# Altium PCB HLK-M20_8266-SUIT-V2.1.PcbDoc
Units mil, origin at the board's own origin, x right, y up, seen from the top; angles counter-clockwise.
Board outline 2165.35 x 1122.05 mil, 2 copper layers (Top Layer, Bottom Layer); 30 components, 35 nets, 166 pads, 100 vias.
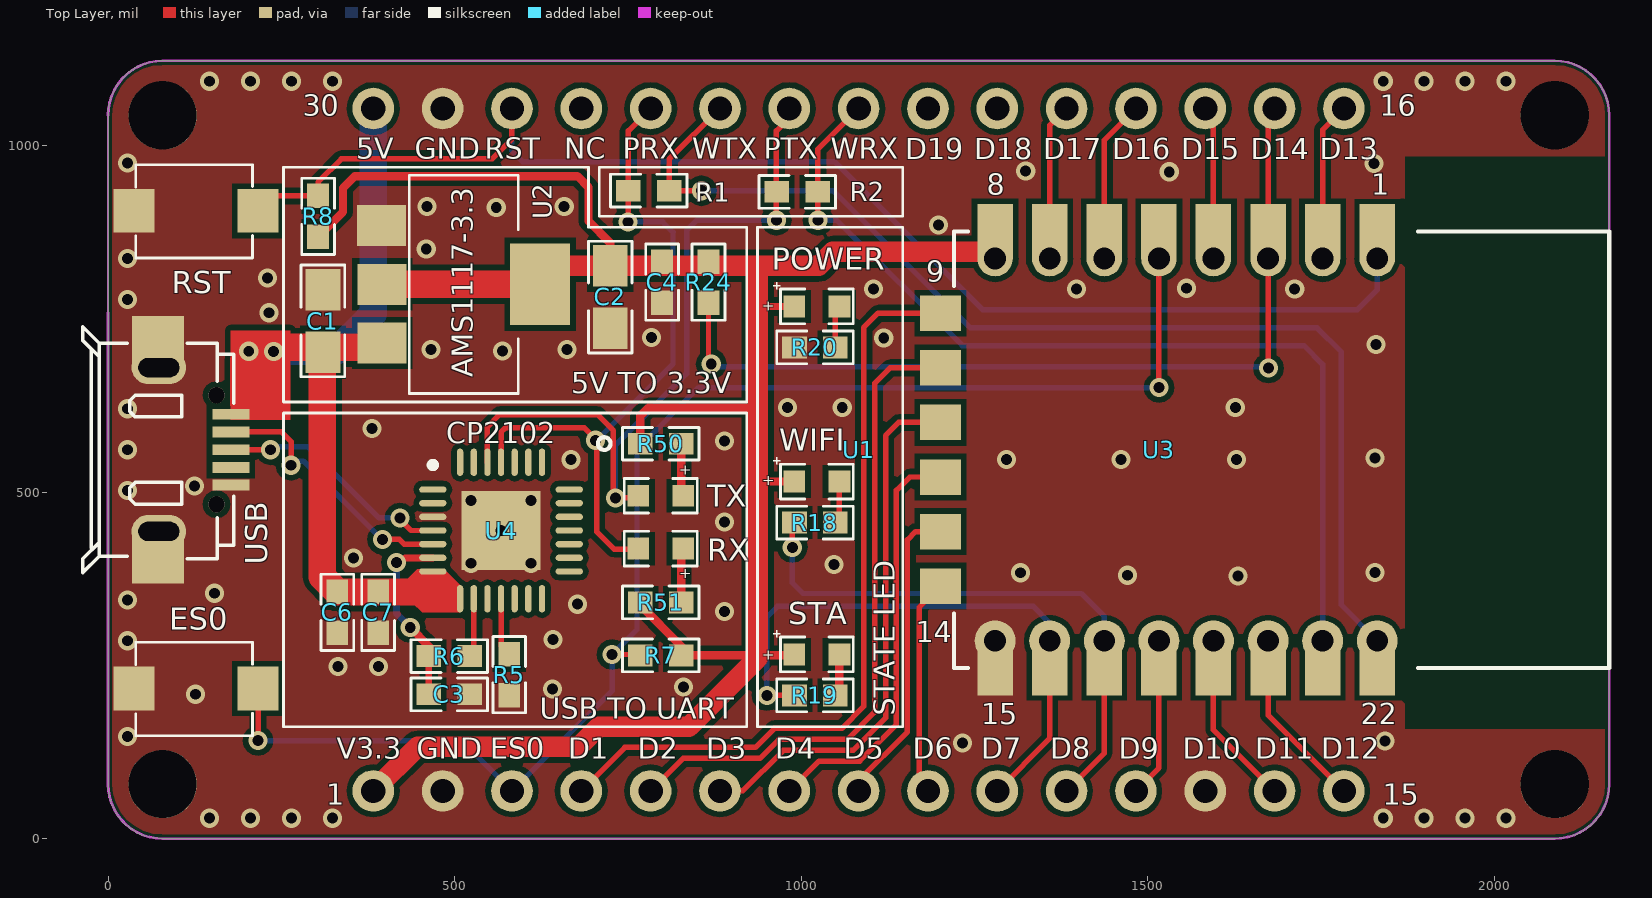
[diagram p0: Top Layer view]
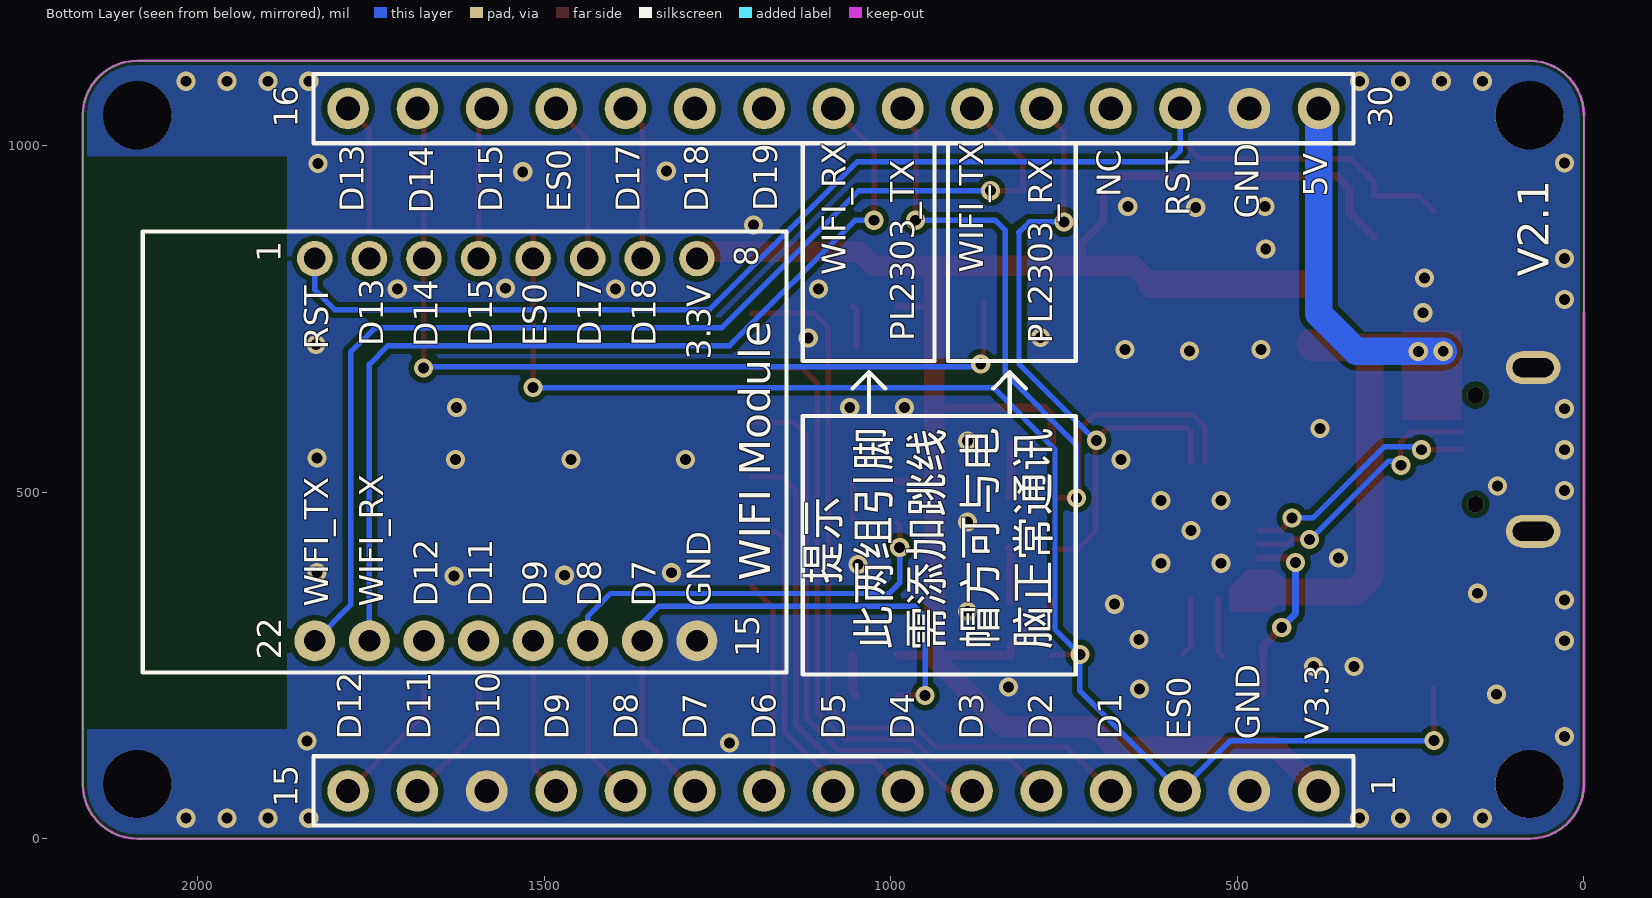
[diagram p1: Bottom Layer view, seen from below]

## Layer stack, top to bottom
Top Layer: signal copper 1.4
Dielectric: dielectric 12.6, FR-4, Dk 4.8
Bottom Layer: signal copper 1.4

## Board outline
0,79.12 0,1043.69 cw(c78.74,1043.69) 78.74,1122.43 2086.61,1122.43 cw(c2086.61,1043.69) 2165.35,1043.69 2165.35,79.12 cw(c2086.61,79.12) 2086.61,0.38 78.74,0.38 cw(c78.74,79.12)

## Design rules (kind name [scope] priority, off if disabled: settings)
Clearance Clearance_1 [OnLayer('Keep-Out Layer')] p1: gap=3.94
Clearance [All] p2: gap=7.87
FabricationTestPointUsage TestPointUsage [All] p1: valid=0 allowmultiple=FALSE
FabricationTestpoint Testpoint [(IsPad And (OnTopLayer Or OnBottomLayer))] p1: side=3 testpointundercomponent=TRUE minsize=40 maxsize=100 preferedsize=60 minholesize=0 maxholesize=40 preferedholesize=32 testpointgrid=1 allowsidetop=TRUE allowsidebottom=TRUE usegrid=TRUE gridtolerance=0.01
PolygonConnect [All] p1: connectstyle=Direct reliefconductorwidth=10 reliefentries=4 polygonreliefangle="90 Angle" airgapwidth=10
RoutingVias [All] p1: holewidth=11.81 width=19.68 viastyle="Through Hole" minholewidth=11.81 minwidth=19.68 maxholewidth=28 maxwidth=50
SilkToSolderMaskClearance SilkscreenOverComponentPads [IsPad] p1: minsilkscreentomaskgap=10 clearancetoexposedcopper=TRUE
SolderMaskExpansion [All] p1: expansion=4
Width 5V [InNet('5V')] p1: maxlimit=78.74 minlimit=11.81 preferedwidth=11.81
Width [All] p2: maxlimit=78.74 minlimit=7.87 preferedwidth=11.81
25 further rules are at their usual default settings.

## Components (designator, comment, footprint, x,y, rotation, side; value= is the part's Value field where it differs from the comment)
C1 "10UF" 0805S 310,702 r90 top
C2 "10uF" 0805S 724.41,826.77 r270 top
C3 "10UF" 0603L 492.13,208.66 r180 top
C4 "0.1uF" 0603L 799.21,803.15 r90 top
C6 "0.1UF" 0603L 330.71,326.77 r90 top
C7 "10UF" 0603L 389.76,326.77 r90 top
ES0 "SW-PB" 小按键 216.54,216.92 r180 top
POWER "LED" 0603LED 994.87,768.1 r0 top
R1 "1K/NC" 0603L 780,935 r0 top (schematic designator R55)
R2 "1K/NC" 0603L 994.09,933.45 r0 top (schematic designator R56)
R5 "10K" 0603L 578.74,237.06 r270 top
R6 "10K" 0603L 492.13,263.78 r180 top
R7 "1K" 0603L 797.24,264.78 r0 top
R8 "1K" 0603L 303,898 r270 top
R18 "1K" 0603L 1019.72,456.4 r180 top
R19 "1K" 0603L 1019.72,207.07 r180 top
R20 "1K" 0603L 1019.72,709.04 r180 top
R24 "4.7K" 0603L 866.14,803.15 r90 top
R50 "1K" 0603L 797.24,570 r180 top
R51 "1K" 0603L 797.24,341.09 r180 top
RST "SW-PB" 小按键 216.54,905.89 r180 top
RX "LED" 0603LED 824.74,418.74 r180 top
STA "LED3" 0603LED 994.87,266.13 r0 top
TX "LED" 0603LED 824.74,495.04 r180 top
U1 "" 转接板 1082.68,561.4 r0 top locked
U2 "AMS1117-3.3" AMS1117 509,800 r270 top locked
U3 "WIFI MODULE" MOD1 1220.47,876.37 r270 top locked
U4 "CP2102" cp2102 566.93,444.88 r0 top
USB "USB" usb 70.13,560.62 r270 top locked
WIFI "LED2" 0603LED 994.87,515.45 r0 top

## Footprints (in the part's own frame and the unit in brackets; to place one, negate y for a bottom-side part, rotate by r counter-clockwise, add the part's x,y. Pads: shape width x height; smd on the part's side, far side on the other; paste and mask are expansions set on the pad)
0603L [mm]
  rect 0.9x0.8 smd: 1(-0.75,0) 2(0.75,0)
  silkscreen extent -1.4,-0.6 1.4,0.6
0603LED [mm]
  rect 0.8x0.8 smd: 1(-0.127,0) 2(1.524,0)
  silkscreen extent -0.89,-0.64 2.03,0.89
0805S [mil]
  rect 60x50 smd: 1(0,0) 2(90,0)
  silkscreen extent -35,-31 126,31
AMS1117 [mm]
  rect 1.5x1.8 smd: 1(-2.153,-2.905) 2(0.003,-2.884) 3(2.153,-2.884)
  rect 3x2.2 smd: 2(0,2.905)
  silkscreen extent -4,-1.89 4,2.11
cp2102 [mm]
  oval 1x0.23 smd: 1(-2.5,1.5) 2(-2.5,1) 3(-2.5,0.5) 4(-2.5,0) 5(-2.5,-0.5) 6(-2.5,-1) 7(-2.5,-1.5) 15(2.5,-1.5) 16(2.5,-1) 17(2.5,-0.5) 18(2.5,0) 19(2.5,0.5) 20(2.5,1) 21(2.5,1.5)
  oval 0.23x1 smd: 8(-1.5,-2.5) 9(-1,-2.5) 10(-0.5,-2.5) 11(0,-2.5) 12(0.5,-2.5) 13(1,-2.5) 14(1.5,-2.5) 22(1.5,2.5) 23(1,2.5) 24(0.5,2.5) 25(0,2.5) 26(-0.5,2.5) 27(-1,2.5) 28(-1.5,2.5)
  rect 2.9x2.9 smd: 29(0,0)
  silkscreen extent -2.6,2.3 -2.4,2.5
MOD1 [mm]
  rect 2x1.3 smd: 1(0,15.5) 2(0,13.5) 3(0,11.5) 4(0,9.5) 5(0,7.5) 6(0,5.5) 7(0,3.5) 8(0,1.5) 15(16,1.5) 16(16,3.5) 17(16,5.5) 18(16,7.5) 19(16,9.5) 20(16,11.5) 21(16,13.5) 22(16,15.5)
  round 1.3 hole 0.8: 1(1,15.5) 2(1,13.5) 3(1,11.5) 4(1,9.5) 5(1,7.5) 6(1,5.5) 7(1,3.5) 8(1,1.5)
  rect 1.3x1.5 smd: 9(3,-0.5) 10(5,-0.5) 11(7,-0.5) 12(9,-0.5) 13(11,-0.5) 14(13,-0.5)
  round 1.5 hole 0.8: 15(15,1.5) 16(15,3.5) 17(15,5.5) 18(15,7.5) 19(15,9.5) 20(15,11.5) 21(15,13.5) 22(15,15.5)
  silkscreen extent 0,0 16,24
usb [mm]
  oval 1.2x2 hole 0.7 slot 1.5 at 90 deg: 1(-3.028,0.081) 1(2.972,0.081)
  rect 0.4x1.35 smd: 1(1.28,2.719) 2(0.63,2.719) 3(-0.02,2.719) 4(-0.67,2.719) 5(-1.32,2.719)
  round 0.6 hole 0.6: 6(1.98,2.194) 9(-2.02,2.194)
  rect 1.8x1.9 smd: 7(3.98,0.044) 8(-4.02,0.044)
  silkscreen extent -4.52,-2.71 4.48,2.82
小按键 [mm]
  rect 1.5x1.6 smd: 1(0,0) 2(4.55,0)
  silkscreen extent 0.2,-1.7 4.48,1.73
转接板 [mil]
  round 60 hole 35: 1(-700,-492.13) 2(-600,-492.13) 3(-500,-492.13) 4(-400,-492.13) 5(-300,-492.13) 6(-200,-492.13) 7(-100,-492.13) 8(0,-492.13) 9(100,-492.13) 10(200,-492.13) 11(300,-492.13) 12(400,-492.13) 13(500,-492.13) 14(600,-492.13) 15(700,-492.13) 16(700,492.13) 17(600,492.13) 18(500,492.13) 19(400,492.13) 20(300,492.13) 21(200,492.13) 22(100,492.13) 23(0,492.13) 24(-100,492.13) 25(-200,492.13) 26(-300,492.13) 27(-400,492.13) 28(-500,492.13) 29(-600,492.13) 30(-700,492.13)

## Part data
C1 C2: library part "Cap Pol2", "Polarized Capacitor (Axial)"
C3 C6 C7: library part CAP, "Capacitor"
C4: library part Cap, "Capacitor"
ES0 RST: "Switch"
R1 R2 R5 R6 R7 R8 R50 R51: library part RES1
R18 R19 R20 R24: library part Res1
STA WIFI: library part LED
U1: library part 转接板
U3: library part MOD1
U4: library part Component_1
USB: library part USB-B

## Free pads (board coordinates)
  round 98.43 hole 98.43: 0(78.74,79.12) 1(2086.61,79.12) 2(78.74,1043.69) 3(2086.61,1043.69)

## Via types
v1: diameter 27.56, hole 15.75, Top Layer to Bottom Layer, tented both sides, 100 vias

## Nets (pads, with @x,y where several pads share a name; then routed paths per layer and width w, separated by ;. In a path a pad name is that pad's centre, name@x,y a point inside that pad or via, vN(x,y) a via of type N, cw(c..) or ccw(c..) an arc to the next point about the centre after c; other vN are vias at no path point)
5V: C1.1 C6.2 C7.2 U1.30 U2.3 U4.7 U4.8 USB.5 | length 1280.5
  Top Layer w39.37: 196,628.38 196,690.38 214.66,709.04 C1.1@309,709.04 ; U2.3@393.21,709.04 C1.1@309,709.04 ; U2.3@393.21,713 U2.3 ; 481.3,356.3 C7.2 C6.2 309,378.01 C1.1@309,709.04
  Bottom Layer w39.37: v1(203,703.38) 228,703.38 328.38,703.38 382.68,757.68 U1.30
  other v1: 239,703
D1: U1.4 U3.9 | length 1123.6
  Top Layer w7.87: U1.4 745.4,132 933.62,132 961,159.38 1058.38,159.38 1090.01,191.01 1090.01,737.39 1110.87,758.26 U3.9
D2: U1.5 U3.10 | length 948.8
  Top Layer w7.87: U1.5 829.65,116.25 940.14,116.25 967.52,143.63 1066.63,143.63 1105.76,182.76 1105.76,657.14 1128.13,679.51 U3.10
D3: U1.6 U3.11 | length 776.9
  Top Layer w7.87: U1.6 915.44,69.28 974.05,127.89 1074.89,127.89 1121.5,174.5 1121.5,581.89 1140.39,600.77 U3.11
D4: U1.7 U3.12 | length 603.3
  Top Layer w7.87: U1.7 1025.54,112.14 1084.14,112.14 1137.25,165.25 1137.25,502.63 1156.65,522.03 U3.12
D5: U1.8 U3.13 | length 444
  Top Layer w7.87: U1.8 1082.68,83.97 1153,154.3 1153,431.38 1164.91,443.29 U3.13
D6: U1.9 U3.14 | length 313.3
  Top Layer w7.87: U1.9 1170,81.96 1170,333.77 U3.14
D7: R19.2 U1.10 U3.16 | length 811.6
  Top Layer w7.87: v1(950.31,207.07) R19.2 ; U1.10 1358.27,144.87 U3.16@1358.27,246.44
  Bottom Layer w7.87: v1(950.31,207.07) 950.31,320.31 965.38,335.38 1334.68,335.38 1358.27,311.79 U3.16@1358.27,285.81
D8: R18.2 U1.11 U3.17 | length 793.1
  Top Layer w7.87: v1(987,420.38) 987,453.2 R18.2 ; U1.11 1437.01,123.61 U3.17@1437.01,246.44
  Bottom Layer w7.87: v1(987,420.38) 987,369.38 1002.38,354 1403.81,354 1437.01,320.8 U3.17@1437.01,285.81
D9: U1.12 U3.18 | length 190.9
  Top Layer w7.87: U1.12 1515.75,102.35 U3.18@1515.75,246.44
D11: U1.14 U3.19 | length 184.2
  Top Layer w7.87: U3.19@1594.49,216.92 1594.49,157.47 U1.14
D12: U1.15 U3.20 | length 193
  Top Layer w7.87: U3.20@1673.23,216.92 1673.23,178.73 U1.15
D13: U1.16 U3.2 | length 189.9
  Top Layer w7.87: U3.2@1751.97,876.37 1751.97,1022.82 U1.16
D14: R24.1 U1.17 U3.3 | length 1373.2
  Top Layer w7.87: v1@866.14,681.1 R24.1 ; v1@1673.23,681.1 1673.23,876.37 1673.23,1044.08 U1.17 ; U3.3@1673.23,846.84 1673.23,944.08
  Bottom Layer w7.87: v1@866.14,681.1 v1@1673.23,681.1
  other v1: 1674,679 870.08,685.04
D15: U1.18 U3.4 | length 321.3
  Top Layer w7.87: U1.18 1594.49,1041.72 U3.4@1594.49,876.37 ; U3.4@1589,870.88 U3.4@1594.49,876.37 ; U3.4@1594.49,833.87 U3.4@1594.49,876.37 ; 1594.49,965.34 U3.4@1594.49,876.37
D17: U1.19 U3.6 | length 225.6
  Top Layer w7.87: U3.6@1437.01,846.84 1437.01,876.37 1437.01,1007.86 U1.19
D18: U1.20 U3.7 | length 216.8
  Top Layer w7.87: U3.7@1358.27,846.84 1358.27,876.37 1358.27,1029.12 U1.20
DM: U4.5 USB.4 | length 387.3
  Top Layer w7.87: USB.4 250,587 264,573 v1(264,539) ; v1(396,432) v1@397,432 ; v1@397,429 400,432 420.2,432 427,425.2 U4.5
  Bottom Layer w7.87: v1(264,539) 270,545 282,545 393,434 393,433 v1@397,429
DP: U4.4 USB.3 | length 344
  Top Layer w7.87: USB.3 v1(234.63,561.4) ; v1@419.94,461.94 437.01,444.88 U4.4
  Bottom Layer w7.87: v1(234.63,561.4) 239.23,566 288,566 391,463 v1(421,463)
ES0: ES0.1 R7.1 U1.3 U3.5 | length 2088.5
  Top Layer w7.87: v1(216.54,141.85) ES0.1 ; v1(727,266) 766.5,266 R7.1 ; v1@1515.75,657.63 1515.75,837 U3.5@1515.75,876.37
  Bottom Layer w7.87: v1(216.54,141.85) 510.11,141.85 U1.3 727,213.6 v1(727,266) 763,302 763,562 852,651 v1(1516,651)
GND: C1.2 C2.2 C3.1 C4.1 C6.1 C7.1 ES0.2 pad.0 pad.1 pad.2 pad.3 R5.2 R20.2 RST.2 U1.2 U1.13 U1.29 U2.1 U3.15 U4.3 U4.29 USB.1 USB.7 USB.8
  other v1: 146.46,29.91 205.51,29.91 264.57,29.91 323.62,29.91 1839.37,29.91 1898.43,29.91 1957.48,29.91 2016.54,29.91 1232.68,138.28 1841.68,141.28 28.35,148.02 125.98,208.66 641,216 830,219 332,249 390,249 28.35,285.81 641.73,287.4 889,328 677.17,338.58 28.35,344.87 153.54,354.33 1629.68,379.28 1470.68,380.28 1316,384 1827.68,384.28 1047,396 523.62,397.64 610.24,397.64 354,405 566.93,444.88 889,457 523.62,488.19 610.24,488.19 28.35,502.35 124.68,509.28 668,547 1296,547.38 1461,547.38 1628,547.38 1827.68,549.38 28.35,561.4 889,574 381,592 28.35,620.46 980.32,622.05 1059.06,622.05 1625.98,622.05 569,704 466,706 662,706 1829.06,713.01 784,723 1118.9,722.82 232,759 28.35,777.94 1104,793.38 1396.68,793.28 1711.68,793.28 1555.68,794.28 230,809 28.35,837 459,851.1 1198,885.38 560,911 460,912 658,912 1530.68,962.28 1323.68,963.28 1826,974.38 28.35,974.79 146.46,1092.9 205.51,1092.9 264.57,1092.9 323.62,1092.9 1839.37,1092.9 1898.43,1092.9 1957.48,1092.9 2016.54,1092.9
NetPOWER_2: POWER.2 R20.1 | length 61.4
  Top Layer w7.87: R20.1 1049.25,762.48 POWER.2
NetR5_1: R5.1 U4.11 | length 84.8
  Top Layer w7.87: U4.11 566.93,278.4 R5.1
NetR6_1: R6.1 U4.9 | length 85.1
  Top Layer w7.87: R6.1 527.56,269.68 U4.9
NetR18_1: R18.1 WIFI.2 | length 61.4
  Top Layer w7.87: R18.1 1054.87,462.02 WIFI.2
NetR19_1: R19.1 STA.2 | length 61.4
  Top Layer w12: R19.1 1054.87,212.69 STA.2
NetR50_1: R50.1 TX.1 | length 76.2
  Top Layer w12: R50.1 826.77,498.02 TX.1
NetR51_1: R51.1 RX.1 | length 78.9
  Top Layer w12: R51.1 826.77,415.77 RX.1
RST: R8.1 RST.1 U1.28 U3.1 | length 1913.3
  Top Layer w7.87: RST.1 238.17,927.53 R8.1 303,947.38 336.62,981 554,981 582.68,1009.68 U1.28@582.68,1041
  Bottom Layer w7.87: U1.28 582.68,992.32 598,977 1048,977 1262,763 1801.71,763 1830.71,792 U3.1@1830.71,837
RX0_CP2102: R1.1 RX.2 U1.26 U4.25 | length 989.8
  Top Layer w7.87: U4.25 566.93,586.61 573.7,593.38 686.62,593.38 704.72,575.28 704.72,443.28 730,418 764.01,418 RX.2 ; v1(750,890) 750.47,890.47 R1.1 750.47,1021.33 U1.26
  Bottom Layer w7.87: v1(703,575) 704.62,575 814.96,685.34 814.96,875.04 ; v1(750,890) 800,890 814.96,875.04 ; 815,875 814.96,875.04
RX0_WIFI: R2.2 U1.23 U3.21 | length 1398.3
  Top Layer w7.87: R2.2@1023.62,935.42 1023.62,994.48 U1.23 ; v1(1024,892.38) R2.2@1024,935.42
  Bottom Layer w7.87: v1(1024,892.38) 1051.19,892.38 1232.19,711.38 1725,711.38 1751.97,684.41 U3.21@1751.97,285.81
TX0_CP2102: R2.1 TX.2 U1.24 U4.26 | length 1114.5
  Top Layer w7.87: U4.26 547.24,594.24 565,612 706,612 729,589 729,495 v1(732,492) 761.7,492 TX.2 ; v1(964,892.38) 964,1021.25 982.68,1039.93 U1.24
  Bottom Layer w7.87: v1(732,492) 732,568.38 834.65,671.03 834.65,877.95 849.07,892.38 v1(964,892.38)
TX0_WIFI: R1.2 U1.25 U3.22 | length 1652.4
  Top Layer w7.87: v1(856,935) R1.2 809.53,980.38 U1.25
  Bottom Layer w7.87: v1(856,935) 1046,935 1244,737 1744,737 1779,702 1779,337.52 U3.22@1830.71,285.81
V3.3: C2.1 C4.2 POWER.1 R7.2 R8.2 R24.2 R50.2 R51.2 STA.1 U1.1 U2.2 U3.8 WIFI.1 | length 3281.2
  Top Layer w10: 937,767.72 937.38,768.1 POWER.1
  Top Layer w12: R8.2 339,904.47 339,939 356,956 677,956 693,940 693,891 724.41,859.59 C2.1 ; R51.2 767.72,337.28 826.77,278.23 R7.2 937,264.78 988.52,264.78 STA.1 ; R50.2 767.72,610.24 779.53,622.05 937,622.05 ; 937,514.38 938.07,515.45 WIFI.1
  Top Layer w19.68: 1112.2,850.63 1116,846.84
  Top Layer w29.53: U1.1 446.4,133 679,133 708,162 838,162 937,261 937,264.78 937,514.38 937,622.05 937,767.72 937,822.83 940.94,826.77 ; U2.2@623.27,799.89 623.38,800 650.15,826.77 C2.1 940.94,826.77 ; U3.8@1279.53,846.84 1116,846.84 1045.46,846.84 1025.39,826.77 940.94,826.77
  Top Layer w40: U2.2@395.45,799.89 U2.2@623.27,799.89
  Bottom Layer w19.68: U1.1@377.95,74 U1.1
VDD: C3.2 R6.2 U4.6 | length 249.6
  Top Layer w10: 428.51,405.51 U4.6 ; C3.2 R6.2
  Top Layer w12: v1(436,305) 462.6,278.4 R6.2
  Bottom Layer w10: v1(416,399) 416,325 v1(436,305)
pads on no net: U1.21 U1.22 U1.27 U4.1 U4.2 U4.10 U4.12 U4.13 U4.14 U4.15 U4.16 U4.17 U4.18 U4.19 U4.20 U4.21 U4.22 U4.23 U4.24 U4.27 U4.28 USB.2 USB.6 USB.9

## Polygon pours and split planes (outlines as drawn)
GND on Top Layer "Top Layer-No Net" (solid, remove dead copper, pour order 2): 0,0.38 2165.35,0.38 2165.35,1122.43 0,1122.43
GND on Bottom Layer "Top Layer-No Net" (solid, remove dead copper, pour order 4): 0,0.38 2165.35,0.38 2165.35,1122.43 0,1122.43

## Keep-outs
Keep-Out Layer:
  lines w3.15: 0,758.81 0,1043.69
  lines w3.94: 0,758.81 0,79.12 ccw(c78.74,79.12) 78.74,0.38 2086.61,0.38 ccw(c2086.61,79.12) 2165.35,79.12 2165.35,1043.69 ccw(c2086.61,1043.69) 2086.61,1122.43 78.74,1122.43 ccw(c78.74,1043.69) 0,1043.69

## Other copper
Top Layer:
  rectangle net 5V: 177,604.38 263,733.38
  region net 5V: 439,341 453,327 507,327 512,332 512,362 485,389 446,389 430,373 430,349 438,341
  pour cut-out: 2165.35,984.63 1870.08,984.63 1870.08,157.86 2165.35,157.86
Bottom Layer:
  pour cut-out: 2165.35,984.63 1870.08,984.63 1870.08,157.86 2165.35,157.86

## Silkscreen, mask and mechanical layers (free items; w line width, h text height)
Top Overlay:
  circle w5.91: c715.68,570.28 r9.22
  lines w4: 253.09,161.8 253.09,614.55 708.66,614.55 921.26,614.55 921.26,161.8 253.09,161.8 ; 253.09,630.3 692.91,630.3 921.26,630.3 921.26,882.27 692.91,882.27 692.91,968.88 253.09,968.88 253.09,630.3 ; 708.66,898.02 708.66,968.88 1146.46,968.88 1146.46,898.02 708.66,898.02 ; 937.01,161.8 1146.46,161.8 1146.46,882.27 937.01,882.27 937.01,161.8
  text "30" at 281,1043.38 h30
  text "16" at 1834.65,1043.38 h30
  text "5V" at 358.27,981.38 h30
  text "GND" at 442.52,981.38 h30
  text "RST" at 543.31,981.38 h30
  text "NC" at 658,981.38 h30
  text "PRX" at 742.52,981.38 h30
  text "WTX" at 842.52,981.38 h30
  text "PTX" at 946,981.38 h30
  text "WRX" at 1042.52,981.38 h30
  text "D19" at 1149.67,980.38 h30
  text "D18" at 1249.33,980.38 h30
  text "D17" at 1349,980.38 h30
  text "D16" at 1448.67,980.38 h30
  text "D15" at 1548.33,980.38 h30
  text "D14" at 1648,980.38 h30
  text "D13" at 1748,980.38 h30
  text "8" at 1267.72,929.51 h30
  text "1" at 1822.05,929.51 h30
  text "9" at 1180.31,803.53 h30
  text "+" at 961.42,762.19 h16
  text "AMS1117-3.3" at 526,666 h30 r90
  text "5V TO 3.3V" at 668,643 h30
  text "CP2102" at 488.19,570.87 h30
  text "+" at 842,525 h16
  text "+" at 961.42,510.22 h16
  text "+" at 842,376 h16
  text "14" at 1165.35,283.85 h30
  text "+" at 961.42,258.26 h16
  text "STATE LED" at 1135,178 h30 r90
  text "USB TO UART" at 622.67,173.39 h30
  text "15" at 1259.84,165.74 h30
  text "22" at 1807.09,165.74 h30
  text "V3.3" at 330,115.38 h30
  text "GND" at 445,115.38 h30
  text "ES0" at 551,115.38 h30
  text "D1" at 664.12,115.38 h30
  text "D2" at 764.12,115.38 h30
  text "D3" at 863.25,115.38 h30
  text "D4" at 962.38,115.38 h30
  text "D5" at 1061.5,115.38 h30
  text "D6" at 1160.62,115.38 h30
  text "D7" at 1259.75,115.38 h30
  text "D8" at 1358.88,115.38 h30
  text "D9" at 1458,115.38 h30
  text "D10" at 1550,115.38 h30
  text "D11" at 1655,115.38 h30
  text "D12" at 1750,115.38 h30
  text "1" at 314.96,49.59 h30
  text "15" at 1838.58,49.59 h30
Bottom Overlay:
  lines w6: 804.72,649.61 828.35,673.23 ; 828.35,610.24 828.35,673.23 ; 851.97,649.61 828.35,673.23 ; 1007.87,649.61 1031.5,673.23 ; 1031.5,610.24 1031.5,673.23 ; 1055.12,649.61 1031.5,673.23 ; 332.68,19.28 1832.68,19.28 1832.68,119.28 332.68,119.28 332.68,19.28 ; 332.68,1003.53 332.68,1103.53 1832.68,1103.53 1832.68,1003.53 332.68,1003.53 ; 733.07,237.01 768.5,237.01 1126.77,237.01 1126.77,610.24 733.07,610.24 733.07,237.01 ; 733.07,689.36 917.32,689.36 917.32,1003.53 733.07,1003.53 733.07,689.36 ; 937.01,689.36 937.01,1003.53 1126.77,1003.53 1126.77,689.36 937.01,689.36 ; 1150.39,240.16 2078.74,240.16 2078.74,876.37 1150.39,876.37 1150.39,240.16
  text "30" at 276.38,1025.97 h35 r270
  text "16" at 1855.12,1025.97 h35 r270
  text "5V" at 370.14,926.06 h35 r270
  text "NC" at 667.94,925.89 h35 r270
  text "D19" at 1163.54,905.4 h35 r270
  text "D18" at 1262.81,903.73 h35 r270
  text "D17" at 1362.07,903.73 h35 r270
  text "ES0" at 1461.34,903.73 h35 r270
  text "D15" at 1560.6,903.73 h35 r270
  text "D13" at 1759.87,903.73 h35 r270
  text "D14" at 1659.87,902.06 h35 r270
  text "RST" at 568.67,898.23 h35 r270
  text "GND" at 469.41,894.57 h35 r270
  text "1" at 1880,832 h35 r270
  text "8" at 1191,825 h35 r270
  text "WIFI_TX" at 866.47,816.86 h35 r270
  text "WIFI_RX" at 1065.01,813.19 h35 r270
  text "V2.1" at 51.18,811.02 h45 r270
  text "PL2303_TX" at 965.74,717.88 h35 r270
  text "PL2303_RX" at 767.21,714.21 h35 r270
  text "D18" at 1338.58,710.79 h35 r270
  text "D17" at 1417.32,710.79 h35 r270
  text "ES0" at 1496.06,710.79 h35 r270
  text "D15" at 1574.8,710.79 h35 r270
  text "D13" at 1732.28,710.79 h35 r270
  text "D14" at 1653.54,709.12 h35 r270
  text "RST" at 1811.02,705.29 h35 r270
  text "3.3V" at 1259.84,690.96 h35 r270
  text "WIFI Module" at 1174.02,372.43 h45 r270
  text "提示" at 1059.06,366.14 h80 r270
  text "GND" at 1259.84,335.03 h35 r270
  text "D7" at 1338.58,335.03 h35 r270
  text "D8" at 1417.32,335.03 h35 r270
  text "D9" at 1496.06,335.03 h35 r270
  text "D11" at 1574.8,335.03 h35 r270
  text "D12" at 1653.54,335.03 h35 r270
  text "WIFI_RX" at 1732.28,335.03 h35 r270
  text "WIFI_TX" at 1811.02,335.03 h35 r270
  text "脑正常通讯" at 755.91,272.76 h80 r270
  text "帽方可与电" at 832.68,273.73 h80 r270
  text "此两组引脚" at 986.22,273.17 h80 r270
  text "需添加跳线" at 909.45,271.65 h80 r270
  text "15" at 1189.76,262.19 h35 r270
  text "22" at 1878.74,258.26 h35 r270
  text "V3.3" at 368,143.07 h35 r270
  text "GND" at 467.64,143.07 h35 r270
  text "ES0" at 567.29,143.07 h35 r270
  text "D1" at 666.93,143.07 h35 r270
  text "D2" at 766.93,143.07 h35 r270
  text "D3" at 866.57,143.07 h35 r270
  text "D4" at 966.21,143.07 h35 r270
  text "D5" at 1065.86,143.07 h35 r270
  text "D6" at 1165.5,143.07 h35 r270
  text "D7" at 1265.14,143.07 h35 r270
  text "D8" at 1364.79,143.07 h35 r270
  text "D9" at 1464.43,143.07 h35 r270
  text "D10" at 1564.07,143.07 h35 r270
  text "D11" at 1663.71,143.07 h35 r270
  text "D12" at 1763.36,143.07 h35 r270
  text "1" at 272.44,61.4 h35 r270
  text "15" at 1855.12,45.66 h35 r270